# Altium PCB STeaMi-VerB1.PcbDoc (part 1 of 5) (continued)
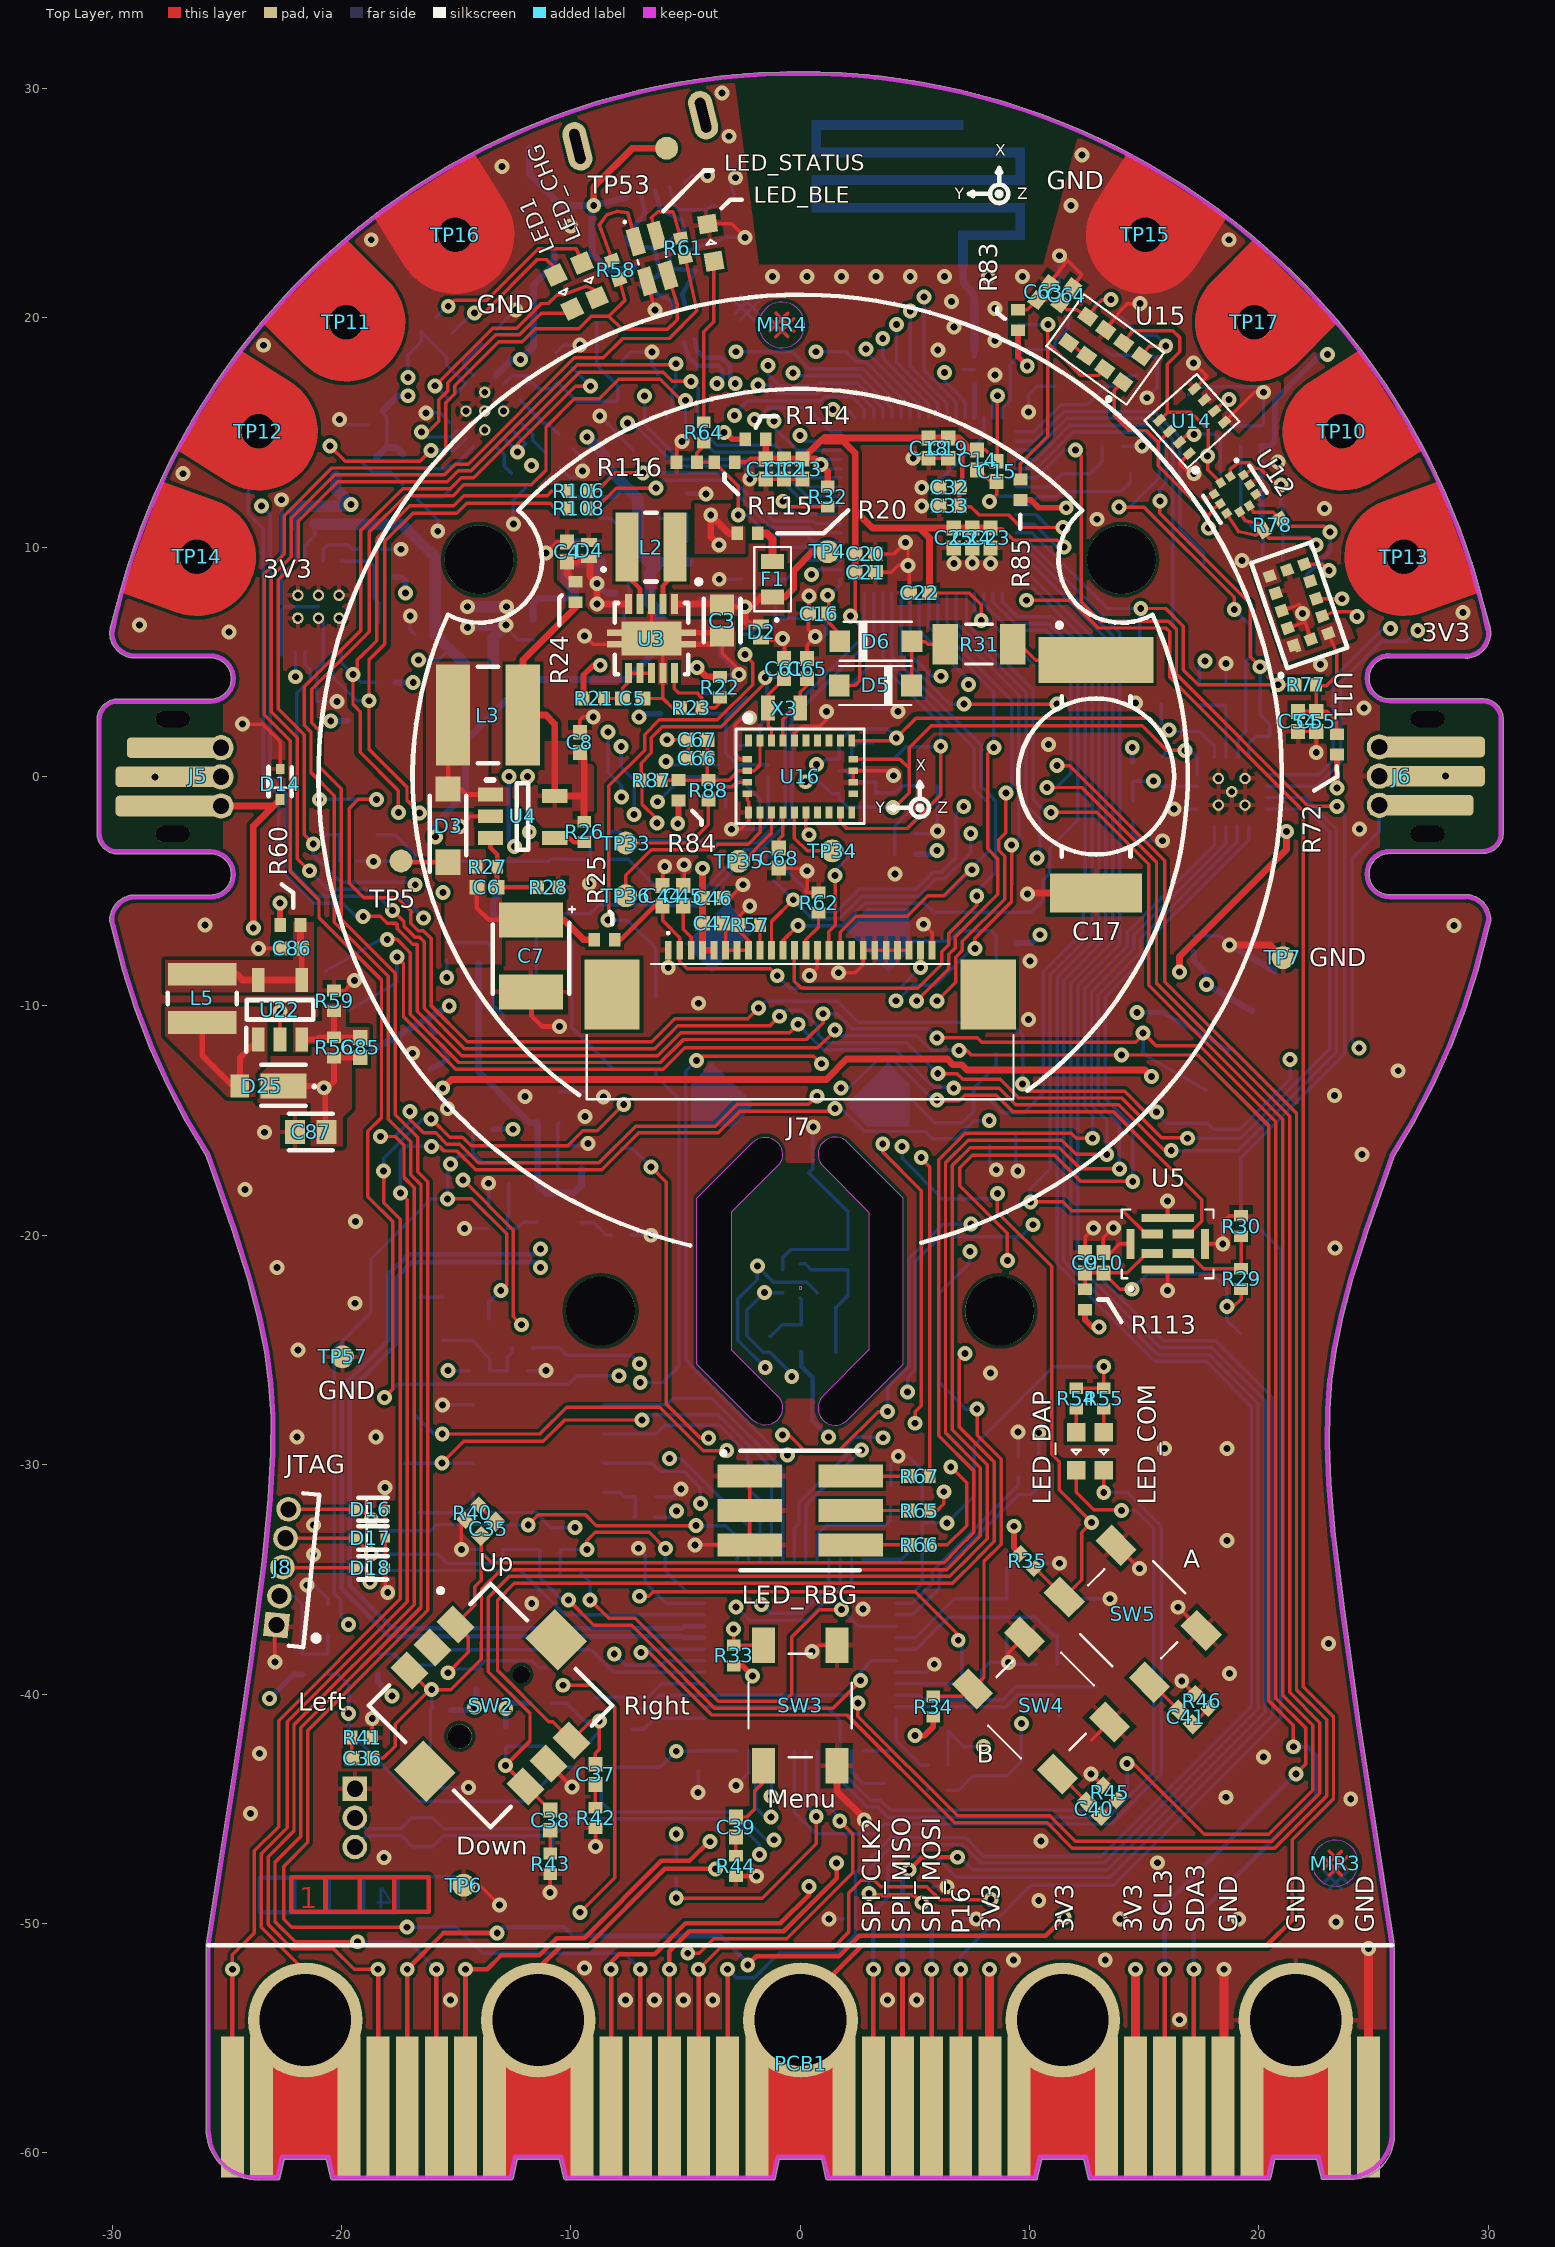
[diagram p0: Top Layer view]
## Components (designator, comment, footprint, x,y, rotation, side; value= is the part's Value field where it differs from the comment) (continued)
C78 "#Circular Reference?" 0402-CAP -11,-16.1 r180 bottom
C79 "#Circular Reference?" 0402-CAP -7.8,-20 r180 bottom
C80 "#Circular Reference?" 0402-CAP -13.2,-19.7 r0 bottom
C81 "#Circular Reference?" 0402-CAP -13.139,-18.72 r0 bottom
C82 "#Circular Reference?" 0402-CAP -6.741,-31.4 r180 bottom
C83 "#Circular Reference?" 0402-CAP -11.64,6.409 r90 bottom
C84 "#Circular Reference?" 0402-CAP -18.505,15.643 r45 bottom
C85 "#Circular Reference?" 0402-CAP -19.177,-11.811 r270 top
C86 "#Circular Reference?" 0402-CAP -22.167,-7.493 r0 top
C87 "#Circular Reference?" 0603-CAP -21.336,-15.494 r270 top
D1 "#Circular Reference?" WE-TVS_SOT23-6L -6,22.621 r286.06 bottom
D2 "#Circular Reference?" DFN100X60X45-2N -1.7,6.3 r270 top
D3 "#Circular Reference?" SODFL3516X120N -15.348,-2.142 r90 top
D4 "#Circular Reference?" DFN100X60X45-2N -9.2,9.85 r90 top
D5 "#Circular Reference?" SOD3615X145N_SOD123 3.28,3.968 r180 top
D6 "#Circular Reference?" SOD3615X145N_SOD123 3.3,5.9 r0 top
D7 "#Circular Reference?" SOD3615X145N_SOD123 -6.3,-11.2 r90 bottom locked
D8 "#Circular Reference?" SODFL1608X70N 5.12,-48.4 r0 bottom
D9 "#Circular Reference?" SODFL1608X70N 2.53,-49.8 r180 bottom
D10 "#Circular Reference?" DFN100X60X45-2N -15.769,-11.468 r300 bottom
D11 "#Circular Reference?" SODFL1608X70N 17.82,-49.8 r0 bottom
D12 "#Circular Reference?" SODFL1608X70N -10.415,-4.26 r270 bottom
D13 "#Circular Reference?" DFN100X60X45-2N -19.723,-3.7 r0 bottom
D14 "#Circular Reference?" SODFL1608X70N -22.67,-0.335 r90 top
D15 "#Circular Reference?" SOD3615X145N_SOD123 8.55,-10.5 r270 bottom
D16 "#Circular Reference?" SODFL1608X70N -18.74,-31.946 r0 top
D17 "#Circular Reference?" SODFL1608X70N -18.74,-33.2 r0 top
D18 "#Circular Reference?" SODFL1608X70N -18.74,-34.5 r0 top
D19 "#Circular Reference?" SODFL1608X70N -20.6,-36.765 r90 bottom
D20 "#Circular Reference?" SODFL1608X70N -16.458,-44.74 r90 bottom
D21 "#Circular Reference?" SODFL1608X70N -16.449,-47.31 r270 bottom
D22 "#Circular Reference?" SODFL1608X70N 6.399,-49.8 r0 bottom
D23 "#Circular Reference?" SODFL1608X70N 15.23,-49.8 r180 bottom
D24 "#Circular Reference?" DFN100X60X45-2N 17.175,-7.289 r90 bottom
D25 "#Circular Reference?" SOD2314X75N-SOD323HE -23.176,-13.491 r180 top
D26 "#Circular Reference?" CDBQR0140L -15.415,-7.62 r270 bottom
D27 "#Circular Reference?" CDBQR0140L -13,-9.525 r0 bottom
F1 "#Circular Reference?" FUSM16081X45 -1.2,8.6 r90 top
FB1 "#Circular Reference?" INDC1608X80N -9.9,22.8 r180 bottom value="300ohm 100Mhz"
FB2 "#Circular Reference?" BEADC1608X75N -19.264,-2.544 r180 bottom value="1Kohm 100 Mhz"
J1 "#Circular Reference?" 1011483010102LF -14,2 r180 bottom locked
J2 "#Circular Reference?" USB3080-30-00-A -6.971,28.15 r13.91 bottom locked
J3 "#Circular Reference?" JST_S4B-PH-SM4-TB 21.651,-12.5 r240 bottom locked
J4 "#Circular Reference?" JST_S4B-PH-SM4-TB -21.651,-12.5 r120 bottom locked
J5 "#Circular Reference?" JACDAC_FOOTPRINT#1 -26.233,0 r90 top locked
J6 "#Circular Reference?" JACDAC_FOOTPRINT#2 26.233,0 r270 top locked
J7 "#Circular Reference?" 52435-2471 0,-9.5 r0 top locked
J8 "#Circular Reference?" FTS-105-01-F-D -23.201,-34.406 r84 top
J9 "#Circular Reference?" FTS-103-01-F-S -19.412,-45.4 r270 bottom
L1 "#Circular Reference?" WE-CNSW_06038 -5.029,19.694 r15.5 bottom value="90ohm 100MHZ"
L2 "#Circular Reference?" VLS3012 -6.5,10 r0 top
L3 "#Circular Reference?" WE-LQS_4025 -13.611,2.68 r180 top
L4 "#Circular Reference?" "LQM21 SERIES" 13.2,13.2 r0 bottom
L5 "#Circular Reference?" VLS3012 -26.068,-9.671 r270 top
LED1 "#Circular Reference?" APTD1608LZGCK-G -10.302,21.122 r296 top
LED_BLE "#Circular Reference?" APTD1608LZGCK-B -3.895,23.276 r99.5 top
LED_CHG "#Circular Reference?" APTD1608LZGCK -9.182,21.632 r293 top
LED_COM "#Circular Reference?" APTD1608LZGCK 13.234,-29.418 r270 top
LED_DAP "#Circular Reference?" APTD1608LZGCK 12.034,-29.418 r270 top
LED_RBG "#Circular Reference?" 150505M173300 0,-32 r0 top
LED_STATUS "#Circular Reference?" KPHBM2012QBDCGKC -6.463,22.587 r105.97 top
LS1 "#Circular Reference?" XDCR_SMT-0825-S-HT-R 0,-10.5 r180 bottom locked
MIR1 "Comment" "mire optique-mini" -2.324,20.447 r135 bottom
MIR2 "Comment" "mire optique-mini" 23.349,-47.97 r135 bottom
MIR3 "Comment" "mire optique-mini" 23.33,-47.371 r45 top
MIR4 "Comment" "mire optique-mini" -0.8,19.685 r45 top
PCB1 "#Circular Reference?" MICROBIT_EDGE 0.015,-61.074 r0 top locked
R1 "Not Fitted" RESC1005X40N_0402 -15.5,19 r225 bottom
R2 "#Circular Reference?" RESC1005X40N_0402 -10.25,17.5 r45 bottom
R3 "#Circular Reference?" RESC1005X40N_0402 -17,13.75 r135 bottom
R4 "#Circular Reference?" RESC1005X40N_0402 -18.2,13.6 r135 bottom
R5 "#Circular Reference?" RESC1005X40N_0402 -3.25,24.979 r195 bottom
R6 "#Circular Reference?" RESC1005X40N_0402 -15.3,13.1 r135 bottom
R7 "#Circular Reference?" RESC1005X40N_0402 -17,12.4 r135 bottom
R8 "#Circular Reference?" RESC1005X40N_0402 -5.9,17.2 r315 bottom
R9 "#Circular Reference?" RESC1005X40N_0402 -8.085,17.789 r225 bottom
R10 "#Circular Reference?" RESC1005X40N_0402 -10.953,18.155 r225 bottom
R11 "#Circular Reference?" RESC1005X40N_0402 -12.271,12.9 r135 bottom
R12 "#Circular Reference?" RESC1005X40N_0402 -10.8,13.8 r135 bottom
R13 "#Circular Reference?" RESC1005X40N_0402 -13.565,19.185 r225 bottom
R14 "#Circular Reference?" RESC1005X40N_0402 -10.2,14.6 r135 bottom
R15 "#Circular Reference?" RESC1005X40N_0402 -19.241,2.413 r180 bottom
R16 "#Circular Reference?" RESC1005X40N_0402 -18.1,4.1 r0 bottom
R17 "#Circular Reference?" RESC1005X40N_0402 -18.127,8.696 r0 bottom
R18 "#Circular Reference?" RESC1005X40N_0402 -21.6,11 r180 bottom
R19 "#Circular Reference?" RESC1005X40N_0402 -18.7,9.9 r180 bottom
R20 "#Circular Reference?" RESC1005X40N_0402 -2.3,10.6 r180 top
R21 "#Circular Reference?" RESC1005X40N_0402 -9,3.4 r180 top
R22 "#Circular Reference?" RESC1005X40N_0402 -3.5,3.89 r90 top
R23 "#Circular Reference?" RESC1005X40N_0402 -4.745,3 r0 top
R24 "#Circular Reference?" RESC1005X40N_0402 -9.8,8.045 r270 top
R25 "#Circular Reference?" RESC1005X40N_0402 -8.526,-7.115 r0 top
R26 "#Circular Reference?" RESC1005X40N_0402 -9.413,-2.415 r270 top
R27 "#Circular Reference?" RESC1005X40N_0402 -13.652,-3.937 r180 top
R28 "#Circular Reference?" RESC1005X40N_0402 -10.985,-4.826 r180 top
R29 "#Circular Reference?" RESC1005X40N_0402 19.222,-21.9 r270 top
R30 "#Circular Reference?" RESC1005X40N_0402 19.222,-19.6 r270 top
R31 "#Circular Reference?" RESC3216X88N_1206 7.8,5.768 r180 top
R32 "#Circular Reference?" RESC1005X40N_0402 1.2,12.2 r90 top
R33 "#Circular Reference?" RESC1005X40N_0402 -2.9,-38.32 r270 top
R34 "#Circular Reference?" RESC1005X40N_0402 5.8,-40.55 r270 top
R35 "#Circular Reference?" RESC1005X40N_0402 9.9,-34.2 r135 top
R36 "#Circular Reference?" RESC1005X40N_0402 -11.33,-40.4 r180 bottom
R37 "#Circular Reference?" RESC1005X40N_0402 -12.835,-41.88 r90 bottom
R38 "#Circular Reference?" RESC1005X40N_0402 -14.106,-39.355 r270 bottom
R39 "#Circular Reference?" RESC1005X40N_0402 -15.67,-40.7 r0 bottom
R40 "#Circular Reference?" RESC1005X40N_0402 -14.3,-32.1 r45 top
R41 "#Circular Reference?" RESC1005X40N_0402 -19.1,-41.9 r180 top
R42 "#Circular Reference?" RESC1005X40N_0402 -8.921,-45.4 r90 top
R43 "#Circular Reference?" RESC1005X40N_0402 -10.9,-47.4 r90 top
R44 "#Circular Reference?" RESC1005X40N_0402 -2.8,-47.5 r90 top
R45 "#Circular Reference?" RESC1005X40N_0402 13.5,-44.3 r315 top
R46 "#Circular Reference?" RESC1005X40N_0402 17.5,-40.3 r315 top
R47 "#Circular Reference?" RESC1005X40N_0402 -15.455,-3.688 r180 bottom
R48 "#Circular Reference?" RESC1005X40N_0402 -8.7,-3.6 r180 bottom
R49 "#Circular Reference?" RESC1005X40N_0402 -8.7,-2.4 r180 bottom
R50 "#Circular Reference?" RESC1005X40N_0402 14.5,0.2 r90 bottom
R51 "#Circular Reference?" RESC1005X40N_0402 17.4,3.547 r90 bottom
R52 "#Circular Reference?" RESC1005X40N_0402 18.564,3.545 r270 bottom
R53 "#Circular Reference?" RESC1005X40N_0402 -16.2,19.7 r45 bottom
R54 "#Circular Reference?" RESC1005X40N_0402 12.034,-27.118 r270 top
R55 "#Circular Reference?" RESC1005X40N_0402 13.234,-27.118 r270 top
R56 "#Circular Reference?" RESC1005X40N_0402 -20.32,-11.811 r270 top
R57 "#Circular Reference?" RESC1005X40N_0402 -2.195,-6.479 r0 top
R58 "#Circular Reference?" RESC1005X40N_0402 -8.037,22.083 r110 top
R59 "#Circular Reference?" RESC1005X40N_0402 -20.32,-9.779 r270 top
R60 "#Circular Reference?" RESC1005X40N_0402 -22.225,-6.477 r0 top
R61 "#Circular Reference?" RESC1005X40N_0402 -5.108,23.041 r102.5 top
R62 "#Circular Reference?" RESC1005X40N_0402 0.8,-5.5 r270 top
R63 "#Circular Reference?" RESC1005X40N_0402 -13.58,-4.773 r180 bottom
R64 "#Circular Reference?" RESC1005X40N_0402 -4.2,15 r90 top
R65 "#Circular Reference?" RESC1005X40N_0402 5.2,-32 r180 top
R66 "#Circular Reference?" RESC1005X40N_0402 5.2,-33.5 r180 top
R67 "#Circular Reference?" RESC1005X40N_0402 5.2,-30.5 r180 top
R68 "#Circular Reference?" RESC1005X40N_0402 8.996,-7.3 r0 bottom
R69 "#Circular Reference?" RESC1005X40N_0402 9.4,-15.1 r90 bottom
R70 "#Circular Reference?" RESC1005X40N_0402 -21.7,-38.7 r270 bottom
R71 "#Circular Reference?" RESC1005X40N_0402 -20.6,-38.7 r270 bottom
R72 "#Circular Reference?" RESC1005X40N_0402 23.4,1.4 r270 top
R73 "#Circular Reference?" RESC1005X40N_0402 4.571,-3.388 r0 bottom
R74 "#Circular Reference?" RESC1005X40N_0402 -5.635,2.735 r180 bottom
R75 "#Circular Reference?" RESC1005X40N_0402 5.1,0.842 r270 bottom
R76 "#Circular Reference?" RESC1005X40N_0402 -1.905,3.429 r180 bottom
R77 "#Circular Reference?" RESC1005X40N_0402 22.045,4 r0 top
R78 "#Circular Reference?" RESC1005X40N_0402 20.575,10.965 r212.7 top
R79 "#Circular Reference?" RESC1005X40N_0402 20.59,11.4 r180 bottom
R80 "#Circular Reference?" RESC1005X40N_0402 20.11,14.847 r270 bottom
R81 "#Circular Reference?" RESC1608X45N_0603 0.8,-25.1 r180 bottom
R82 "#Circular Reference?" RESC1608X45N_0603 0.8,-23.9 r0 bottom
R83 "#Circular Reference?" RESC1005X40N_0402 9.5,19.9 r270 top
R84 "#Circular Reference?" RESC1005X40N_0402 -5.3,-0.6 r270 top
R85 "#Circular Reference?" RESC1005X40N_0402 9.6,12.5 r270 top
R86 "#Circular Reference?" RESC1005X40N_0402 13.264,20 r180 bottom
R87 "#Circular Reference?" RESC1005X40N_0402 -6.482,-0.159 r0 top
R88 "#Circular Reference?" RESC1005X40N_0402 -4,-0.6 r90 top
R89 "#Circular Reference?" RESC1608X45N_0603 -6.906,6.6 r180 bottom
R90 "#Circular Reference?" RESC1005X40N_0402 -4.953,9.779 r270 bottom
R91 "#Circular Reference?" RESC1005X40N_0402 9.5,-30.1 r270 bottom
R92 "#Circular Reference?" RESC1005X40N_0402 10.4,-30.1 r270 bottom
R93 "#Circular Reference?" RESC1005X40N_0402 -7.312,-41.1 r90 bottom
R94 "#Circular Reference?" RESC1005X40N_0402 6,-43.1 r0 bottom
R95 "#Circular Reference?" RESC1005X40N_0402 6,-44.2 r0 bottom
R96 "#Circular Reference?" RESC1005X40N_0402 -13.971,-25.9 r180 bottom
R97 "#Circular Reference?" RESC1005X40N_0402 -12.114,-24.9 r180 bottom
R98 "#Circular Reference?" RESC1005X40N_0402 -12.32,-25.9 r180 bottom
R99 "#Circular Reference?" RESC1005X40N_0402 -10.9,-33.7 r0 bottom
R100 "#Circular Reference?" RESC1005X40N_0402 -17,-22.7 r0 bottom
R101 "#Circular Reference?" RESC1005X40N_0402 -18.4,-38.7 r270 bottom
R102 "#Circular Reference?" RESC1005X40N_0402 -12.954,-11.24 r90 bottom
R103 "#Circular Reference?" RESC1005X40N_0402 -4.953,11.875 r270 bottom
R104 "#Circular Reference?" RESC1005X40N_0402 -5.404,-47.556 r90 bottom
R105 "#Circular Reference?" RESC1005X40N_0402 3.937,-31.369 r270 bottom
R106 "#Circular Reference?" RESC1005X40N_0402 -9.652,12.446 r180 top
R107 "#Circular Reference?" RESC1608X45N_0603 -7.3,8 r180 bottom
R108 "#Circular Reference?" RESC1005X40N_0402 -9.652,11.684 r180 top
R109 "#Circular Reference?" RESC1005X40N_0402 -13.833,-15.377 r0 bottom
R110 "#Circular Reference?" RESC1005X40N_0402 -10.008,-34.72 r180 bottom
R111 "#Circular Reference?" RESC1005X40N_0402 -12.7,-17.3 r90 bottom
R112 "#Circular Reference?" RESC1005X40N_0402 -6.784,-32.3 r0 bottom
R113 "#Circular Reference?" RESC1005X40N_0402 12.422,-22.8 r270 top
R114 "#Circular Reference?" RESC1005X40N_0402 -1.945,14.7 r180 top
R115 "#Circular Reference?" RESC1005X40N_0402 -3.3,13.7 r0 top
R116 "#Circular Reference?" RESC1005X40N_0402 -4.945,13.7 r0 top
SW1 "#Circular Reference?" PTS636SM25FSMTRLFS -10,-10.5 r270 bottom
SW2 "#Circular Reference?" SKRHABE010 -13.5,-40.5 r315 top locked
SW3 "#Circular Reference?" PTS647SM38SMTR2LFS 0,-40.5 r90 top locked
SW4 "#Circular Reference?" PTS647SM38SMTR2LFS 10.5,-40.5 r135 top locked
SW5 "#Circular Reference?" PTS647SM38SMTR2LFS 14.5,-36.5 r135 top locked
T1 "#Circular Reference?" SOT95P260X110-3N_SOT-23-3 -7.25,15.64 r225 bottom
T2 "#Circular Reference?" SOT95P260X110-3N_SOT-23-3 7.256,-15.1 r270 bottom
T3 "#Circular Reference?" SOT23-B-C-E -14.584,-23.64 r90 bottom
T4 "#Circular Reference?" SOT65P210X110-6N -13.375,-7.15 r90 bottom
TP1 "PAD" "TESTPOINT 1MM" -20.243,13.081 r90 bottom
TP2 "PAD" "TESTPOINT 1MM" -18.368,6.7 r90 bottom
TP3 "PAD" "TESTPOINT 1MM" -9.9,7.772 r90 bottom
TP4 "PAD" "TESTPOINT 1MM" 1.2,9.8 r90 top
TP5 "PAD" "TESTPOINT 1MM" -17.399,-3.683 r90 top
TP6 "PAD" "TESTPOINT 1MM" -14.665,-48.335 r90 top
TP7 "PAD" "TESTPOINT 1MM" 21.047,-7.9 r90 top
TP8 "PAD" "TESTPOINT 1MM" 17.606,9.287 r90 bottom
TP9 "PAD" "TESTPOINT 1MM" 16.256,6.604 r90 bottom
TP10 "PAD" PAD_SHORT_ALIGATOR 23.615,15.044 r302.5 top locked
TP11 "PAD" PAD_SHORT_ALIGATOR -19.799,19.799 r45 top
TP12 "PAD" PAD_SHORT_ALIGATOR -23.615,15.044 r57.5 top locked
TP13 "PAD" PAD_SHORT_ALIGATOR 26.311,9.577 r290 top locked
TP14 "PAD" PAD_SHORT_ALIGATOR -26.311,9.577 r70 top locked
TP15 "PAD" PAD_SHORT_ALIGATOR 15.044,23.615 r327.5 top locked
TP16 "PAD" PAD_SHORT_ALIGATOR -15.044,23.615 r32 top locked
TP17 "PAD" PAD_SHORT_ALIGATOR 19.799,19.799 r315 top locked
TP18 "PAD" "TESTPOINT 1MM" 19.635,5.969 r90 bottom
TP19 "PAD" "TESTPOINT 1MM" 20.471,1.75 r90 bottom
TP20 "PAD" "TESTPOINT 1MM" -1.147,-4.551 r90 bottom
TP21 "PAD" "TESTPOINT 1MM" 11.427,-2.586 r90 bottom
TP22 "SCK1" "TESTPOINT 1MM" 2.305,-3.298 r90 bottom
TP23 "MOSI1" "TESTPOINT 1MM" 6.223,-5.19 r90 bottom
TP24 "PAD" "TESTPOINT 1MM" 8.5,-4.2 r90 bottom
TP25 "SDA1" "TESTPOINT 1MM" 15.748,3.175 r90 bottom
TP26 "SCL1" "TESTPOINT 1MM" 15.778,0.878 r90 bottom
TP27 "INTD" "TESTPOINT 1MM" 14.8,6 r90 bottom
TP28 "INTA" "TESTPOINT 1MM" -0.254,4.592 r90 bottom
TP29 "INTM" "TESTPOINT 1MM" 2.117,3.9 r90 bottom
TP30 "PAD" "TESTPOINT 1MM" 22.053,8.315 r90 bottom
TP31 "PAD" "TESTPOINT 1MM" -1.3,-24.085 r90 bottom
TP32 "PAD" "TESTPOINT 1MM" 9.4,19.6 r90 bottom
TP33 "PAD" "TESTPOINT 1MM" -7.6,-2.9 r90 top
TP34 "PAD" "TESTPOINT 1MM" 1.397,-3.241 r90 top
TP35 "PAD" "TESTPOINT 1MM" -2.678,-3.694 r90 top
TP36 "PAD" "TESTPOINT 1MM" -7.6,-5.2 r90 top
TP37 "RST" "TESTPOINT 1MM" -6.965,-29.935 r90 bottom
TP38 "WP" "TESTPOINT 1MM" -16.847,-27.774 r90 bottom
TP39 "/CS" "TESTPOINT 1MM" -16.6,-32.1 r90 bottom
TP40 "MOSI" "TESTPOINT 1MM" -5.53,-27.1 r90 bottom
TP41 "MISO" "TESTPOINT 1MM" -17.243,-29.935 r90 bottom
TP42 "CLK" "TESTPOINT 1MM" -2.3,-31 r90 bottom
TP43 "T_RX2" "TESTPOINT 1MM" 8.662,-43.56 r90 bottom
TP44 "T_TX2" "TESTPOINT 1MM" 6.445,-41.611 r90 bottom
TP45 "PAD" "TESTPOINT 1MM" 16.928,16.637 r90 bottom
TP46 "+3V3" "TESTPOINT 1MM" -14.2,-16.5 r180 bottom
TP47 "PAD" "TESTPOINT 1MM" 3.682,-43.9 r90 bottom
TP48 "PAD" "TESTPOINT 1MM" 11.3,-40.98 r90 bottom
TP49 "PAD" "TESTPOINT 1MM" -10.509,11.509 r90 bottom
TP50 "PAD" "TESTPOINT 1MM" -11.629,21.431 r90 bottom
TP51 "PAD" "TESTPOINT 1MM" -8.86,19.786 r0 bottom
TP52 "PAD" "TESTPOINT 1MM" -21.93,1.74 r90 bottom
TP53 "PAD" "TESTPOINT 1MM" -5.822,27.388 r90 top
TP54 "PAD" "TESTPOINT 1MM" -11.8,27.4 r90 bottom
TP55 "PAD" "TESTPOINT 1MM" -4.322,7.706 r90 bottom
TP56 "PAD" "Testpoint 1mm" 12.954,-39.692 r90 bottom
TP57 "PAD" "TESTPOINT 1MM" -19.95,-25.3 r90 top
TP58 "PAD" "TESTPOINT 1MM" -14.442,-48.44 r90 bottom
TP59 "PAD" "TESTPOINT 1MM" -27.6,-7.1 r90 bottom
TP60 "PAD" "TESTPOINT 1MM" 19.2,-24.3 r90 bottom
TP61 "PAD" "TESTPOINT 1MM" -1.085,7.378 r90 bottom
TP62 "PAD" "TESTPOINT 1MM" 10.185,4.863 r90 bottom
TP63 "PAD" "TESTPOINT 1MM" -9.398,-42.291 r90 bottom
TP64 "PAD" "TESTPOINT 1MM" -11.23,-42.274 r90 bottom
TP65 "PAD" "TESTPOINT 1MM" -16,-42.6 r90 bottom
TP66 "PAD" "TESTPOINT 1MM" -11.115,-38.862 r90 bottom
TP67 "PAD" "TESTPOINT 1MM" -7.771,-16.2 r90 bottom
TP68 "PAD" "TESTPOINT 1MM" 6.5,-26.852 r90 bottom
TP69 "PAD" "TESTPOINT 1MM" 6.2,-18.4 r90 bottom
TP70 "PAD" "TESTPOINT 1MM" 11.808,-5.552 r90 bottom
TP71 "RX3" "TESTPOINT 1MM" -8.675,-44 r90 bottom
TP72 "TX3" "TESTPOINT 1MM" -10.795,-46.96 r90 bottom
TP73 "TX2" "TESTPOINT 1MM" -7,-4.1 r90 bottom
TP74 "RX2" "TESTPOINT 1MM" -4.7,-2.8 r90 bottom
TP75 "PAD" "Testpoint 1mm" -16.764,-38.735 r90 bottom
TP76 "PAD" "Testpoint 1mm" -8.89,-40.132 r90 bottom
U1 "#Circular Reference?" QFN50P300X300X100-17N -13.75,15.93 r135 bottom
U2 "#Circular Reference?" BQ27441DRZRG1A -21,7.4 r180 bottom
U3 "#Circular Reference?" VSON-10 -6.482,6.015 r180 top
U4 "#Circular Reference?" SOT95P270X145-5N -12.1,-1.736 r0 top
U5 "#Circular Reference?" IMP34DT05 16.022,-20.375 r270 top
U6 "#Circular Reference?" QFN40P800X800X100-69N-D 5.6,11.82 r0 bottom locked
U7 "#Circular Reference?" MLPFWB5501E3 7.35,17.727 r180.05 bottom
U8 "#Circular Reference?" QFN50P300X300X100-17N-D 18.814,-0.666 r0 bottom
U9 "#Circular Reference?" LGA-12-2x2MM 2.5,0 r0 bottom locked
U10 "#Circular Reference?" LGA-14-2.5X3MM -2.5,0 r270 bottom locked
U11 "#Circular Reference?" VL53L1X 21.747,7.488 r199 top
U12 "#Circular Reference?" 2511020213301 18.956,12.306 r303 top
U13 "#Circular Reference?" 2525020210001 0,-22 r180 bottom locked
U14 "#Circular Reference?" BME280 17.081,15.492 r221.87 top locked
U15 "#Circular Reference?" APDS-9960 13.3,18.615 r233.84 top
U16 "#Circular Reference?" LGA28R50P4X10_380X520X100 0,0 r0 top locked
U17 "#Circular Reference?" QFP50P900X900X160-48N 0,-38.3 r180 bottom locked
U19 "#Circular Reference?" SOT95P280X100-5N_SOT-23 -10.49,-18.27 r0 bottom
U20 "#Circular Reference?" SON127P600X500X80-9N -11.4,-29.3 r0 bottom
U21 "#Circular Reference?" "SOT95P280X100-5N SOT23-5" -7.4,10.3 r0 bottom
U22 "#Circular Reference?" "SOT95P280X100-5N SOT23-5" -22.677,-10.171 r90 top
X1 "#Circular Reference?" WE_XTAL_CFPX_180 12.2,17.815 r0 bottom
X2 "#Circular Reference?" WE_XTAL_IQXC-25 -0.547,9.287 r90 bottom
X3 "#Circular Reference?" WE_XTAL_IQXC-25 -0.7,2.984 r180 top
X4 "#Circular Reference?" WE_XTAL_CFPX_180 10.1,-36.647 r180 bottom

## Footprints (in the part's own frame and the unit in brackets; to place one, negate y for a bottom-side part, rotate by r counter-clockwise, add the part's x,y. Pads: shape width x height; smd on the part's side, far side on the other; paste and mask are expansions set on the pad)
0402-CAP [mm]
  rect 0.65x0.62 smd: 1(-0.44,0) 2(0.44,0)
  body extent -0.5,-0.25 0.5,0.25, height 0.55
0603-CAP [mil]
  rect 41x35 smd: 1(0,-27) 2(0,27)
  silkscreen extent -31,-37 31,38, body extent -15,-39 16,39, height 31
0603-CAP-Small [mm]
  rect 0.9x0.6 smd: 1(0,-0.756) 2(0,0.756)
  body extent -0.4,-0.8 0.4,0.8, height 0.8
52435-2471 [mm]
  rect 0.3x0.8 smd: 1(-5.75,1.925) 2(-5.25,1.925) 3(-4.75,1.925) 4(-4.25,1.925) 5(-3.75,1.925) 6(-3.25,1.925) 7(-2.75,1.925) 8(-2.25,1.925) 9(-1.75,1.925) 10(-1.25,1.925) 11(-0.75,1.925) 12(-0.25,1.925) 13(0.25,1.925) 14(0.75,1.925) 15(1.25,1.925) 16(1.75,1.925) 17(2.25,1.925) 18(2.75,1.925) 19(3.25,1.925) 20(3.75,1.925) 21(4.25,1.925) 22(4.75,1.925) 23(5.25,1.925) 24(5.75,1.925)
  rect 2.4x3.05 smd: FIX(-8.2,0) FIX(8.2,0)
  silkscreen extent -9.3,-4.57 9.3,2.72, body extent -9.3,-3.17 9.3,2.03, height 2.05
150505M173300 [mm] "SMT Full-color TOP LED Waterclear, body 5x5mm"
  rect 2.8x1 smd: 1(-2.2,1.5) 2(2.2,1.5) 3(-2.2,0) 4(2.2,0) 5(-2.2,-1.5) 6(2.2,-1.5)
  silkscreen extent -3.43,-2.6 2.6,2.6, body extent -2.7,-2.5 2.7,2.5, height 1.5
1011483010102LF [mm]
  rect 0.8x1.6 smd: 1(-0.625,2.9) 2(0.625,2.9)
  rect 2.1x3 smd: FIX(-3.175,0) FIX(3.175,0)
  silkscreen extent -3.75,-2.3 3.75,2.81, body extent -3.82,-2.95 3.83,3.37, height 3.73
2511020213301 [mm]
  rect 0.375x0.35 smd paste-0.02 mask+0.05: 1(-0.76,0.25) 2(-0.76,-0.25) 6(0.76,-0.25) 7(0.76,0.25)
  rect 0.35x0.375 smd paste-0.02 mask+0.05: 3(-0.5,-0.76) 4(0,-0.76) 5(0.5,-0.76) 8(0.5,0.76) 9(0,0.76) 10(-0.5,0.76)
  silkscreen extent -1.23,-1.2 0.7,1.2, body extent -1,-1 1,1, height 0.73
2525020210001 [mm]
  rect 0.4x0.45 smd paste-0.05 mask+0.1: 1(-0.75,0.5) 2(-0.75,-0.5) 4(0.75,-0.5) 5(0.75,0.5)
  rect 0.45x0.4 smd paste-0.05 mask+0.1: 3(0,-0.75) 6(0,0.75)
  Keep-Out Layer board cut-out: 1,-5 0.823,-5.282 0.785,-5.614 0.895,-5.929 1.131,-6.165 1.446,-6.275 1.778,-6.237 2.06,-6.06 2.06,-6.06 4.5,-3.62 4.5,3.62 2.06,6.06 1.778,6.237 1.446,6.275 1.131,6.165 0.895,5.929 0.785,5.614 0.823,5.282 1,5 1,5 3,3 3,-3
  Keep-Out Layer board cut-out: -4.5,-3.62 -4.5,3.62 -2.06,6.06 -1.778,6.237 -1.446,6.275 -1.131,6.165 -0.895,5.929 -0.785,5.614 -0.823,5.282 -1,5 -1,5 -3,3 -3,-3 -1,-5 -0.823,-5.282 -0.785,-5.614 -0.895,-5.929 -1.131,-6.165 -1.446,-6.275 -1.778,-6.237 -2.06,-6.06 -2.06,-6.06
  Keep-Out Layer region: -0.065,-0.352 -0.065,-0.252 0.035,-0.252 0.035,-0.352
  silkscreen extent -1.43,-1.2 1,1.2, body extent -0.99,-1 1.01,1, height 0.94
APDS-9960 [mm]
  rect 0.6x0.72 smd: 1(0.7,1.455) 2(0.7,0.485) 3(0.7,-0.485) 4(0.7,-1.455) 5(-0.7,-1.455) 6(-0.7,-0.485) 7(-0.7,0.485) 8(-0.7,1.455)
  silkscreen extent -1.4,-2.16 1.72,2.16, body extent -1.18,-1.97 1.18,1.97, height 1.55
APTD1608LZGCK [mm] "Empreinte LED 1608 Kingbright"
  rect 0.8x0.8 smd: A(-0.825,0) K(0.825,0)
  silkscreen extent -0.07,-0.2 0.13,0.2, body extent -0.81,-0.4 0.81,0.4, height 0.6
APTD1608LZGCK-B [mm] "Empreinte LED 1608 Kingbright"
  rect 0.8x0.8 smd: A(-0.825,0) K(0.825,0)
  silkscreen extent -0.07,-0.2 0.13,0.2, body extent -0.8,-0.4 0.8,0.4, height 0.7
APTD1608LZGCK-G [mm] "Empreinte LED 1608 Kingbright"
  rect 0.8x0.8 smd: A(-0.825,0) K(0.825,0)
  silkscreen extent -0.07,-0.2 0.13,0.19, body extent -0.8,-0.4 0.8,0.4, height 0.7
BEADC1608X75N [mm]
  rect 0.85x1 smd: 1(-0.8,0) 2(0.8,0)
  silkscreen extent 0,-0.3 0,0.3, body extent -0.8,-0.4 0.8,0.4, height 0.75
BME280 [mm]
  rect 0.5x0.35 smd: 1(1.025,0.975) 2(1.025,0.325) 3(1.025,-0.325) 4(1.025,-0.975) 5(-1.025,-0.975) 6(-1.025,-0.325) 7(-1.025,0.325) 8(-1.025,0.975)
  silkscreen extent -1.52,-1.4 1.52,1.8, body extent -1.25,-1.25 1.25,1.25, height 1.02
BQ27441DRZRG1A [mm]
  rect 0.2x0.85 smd: 1(-1,-1.975) 2(-0.6,-1.975) 3(-0.2,-1.975) 4(0.2,-1.975) 5(0.6,-1.975) 6(1,-1.975) 7(1,1.975) 8(0.6,1.975) 9(0.2,1.975) 10(-0.2,1.975) 11(-0.6,1.975) 12(-1,1.975)
  round 0.5 hole 0.3: 13(-0.9,-0.5) 13(-0.9,0.5) 13(0,-0.5) 13(0,0.5) 13(0.9,-0.5) 13(0.9,0.5)
  rect 3.3x0.25 smd: 13(0,-1.1) 13(0,1.1)
  rect 2.45x1.95 smd: 13(0,0)
  silkscreen extent -1.58,-2.41 1.52,0.7, body extent -1.25,-2.05 1.25,2.05, height 0.95
"CAPC3225X55N_1210 - TANTAL" [mil]
  rect 60x110 smd: 1(-62,-0.01) 2(62,-0.01)
  silkscreen extent -85,-66 65,75, body extent -69,-55 69,55, height 75
CDBQR0140L [mm]
  rect 0.5x0.7 smd: A(0.375,0) K(-0.375,0)
  silkscreen extent -1.03,-0.05 -0.93,0.05, body extent -0.55,-0.33 0.55,0.33, height 0.56
DFN100X60X45-2N [mm]
  rect 0.4x0.7 smd: 1(-0.35,0) 2(0.35,0)
  silkscreen extent -0.57,0.63 -0.48,0.72, body extent -0.5,-0.3 0.5,0.3, height 0.53
DSK3R3H204T614 [mm]
  rect 5x2 smd: 1(0,5.075)
  rect 4x1.7 smd: 2(0,-5.075)
  silkscreen extent -3.4,-3.5 3.4,6.7, body extent -3.4,-5.85 3.4,5.85, height 1.8
FTS-103-01-F-S [mm]
  rect 1.07x1.07 hole 0.7: 1(-1.27,0)
  round 1.07 hole 0.7: 2(0,0) 3(1.27,0)
  silkscreen extent -2,-1.9 2,1.27
FTS-105-01-F-D [mm]
  rect 1.07x1.07 hole 0.7: 1(-2.54,-0.635)
  round 1.07 hole 0.7: 3(-1.27,-0.635) 5(0,-0.635) 7(1.27,-0.635) 9(2.54,-0.635)
  silkscreen extent -3.37,-2.53 3.3,-1.2
FUSM16081X45 [mm] "Empreinte fusible SF-0603SP Bourns"
  rect 0.65x1 smd: 1(-0.775,0) 2(0.775,0)
  silkscreen extent -1.4,-0.8 1.4,0.8, body extent -0.8,-0.4 0.8,0.4, height 0.63
IMP34DT05 [mm]
  rect 0.4x0.95 smd: 1(0.425,-0.675) 2(-0.425,-0.675) 3(-0.425,0.675) 4(0.425,0.675)
  rect 1.3x0.35 smd: 5(0,-1.625) 7(0,1.625)
  rect 0.35x2.3 smd: 6(-1.125,0) 8(1.125,0)
  silkscreen extent -1.5,-2 2,2, body extent -1.5,-2 1.5,2, height 1.08
INDC1608X80N [mm]
  rect 0.95x0.7 smd: 1(-0.825,0) 2(0.825,0)
  body extent -0.8,-0.4 0.8,0.4, height 1
JACDAC_FOOTPRINT#1 [mm]
  rrect100% 0.22x1.287 smd far side paste-1.287 mask-1.287: 1(-2.195,-0.826)
  rrect100% 0.974x0.22 smd far side rot 135 paste-0.974 mask-0.974: 1(-1.929,-1.626)
  rrect100% 1.507x0.22 smd far side rot 45 paste-1.507 mask-1.507: 1(-1.74,0.163) 1(0.8,-1.437)
  rrect39% 0.9x2.95 smd far side paste-2.95 mask+0: 1(-1.285,1.643)
  rrect100% 2.212x0.22 smd far side paste-2.212 mask-2.212: 1(-0.666,-1.892)
  round 1.1 hole 0.71 paste-1.1 mask+0: 1(1.255,-0.982) 2(-0.015,-0.982) 3(-1.285,-0.982)
  rrect39% 0.9x4.55 smd paste-4.55 mask+0: 1(1.255,0.843)
  round 0.65 hole 0.3 paste-0.6 mask+0: 2(-0.015,1.893)
  rrect39% 0.9x3.45 smd far side paste-3.45 mask+0: 2(-0.015,1.893) 3(1.255,1.893)
  rrect39% 0.9x5.05 smd paste-5.05 mask+0: 2(-0.015,1.093) 3(-1.285,1.093)
  rrect100% 1.492x0.29 smd far side rot 45 paste-1.492 mask-1.492: 3(-0.86,-0.557)
  rrect100% 1.23x0.29 smd far side paste-1.23 mask-1.23: 3(0.035,-0.132)
  rrect100% 1.351x0.29 smd far side rot 45 paste-1.351 mask-1.351: 3(0.88,0.243)
  rrect100% 0.7x1.5 hole 1.5 slot 0.7 at 0 deg unplated paste-1.5 mask+0: Un1(2.505,1.118)
  rrect100% 0.7x1.5 hole 1.5 slot 0.7 at 0 deg unplated paste+0 mask+0: Un2(-2.505,1.118)
  Keep-Out Layer lines w0.12: -5.285,1.118 -5.285,-0.532 ccw(c-4.285,-0.532) -4.285,-1.532 ; 5.255,1.118 5.255,-0.532 cw(c4.255,-0.532) 4.255,-1.532 ; -2.485,4.318 ccw(c-2.485,3.518) -3.286,3.518 ; -2.485,4.318 ccw(c-2.485,3.518) -3.286,3.518 ; -2.485,4.318 2.455,4.318 ; -2.485,4.318 2.455,4.318 ; 2.455,4.318 cw(c2.455,3.518) 3.255,3.518 ; 2.455,4.318 cw(c2.455,3.518) 3.255,3.518 ; -3.286,3.518 -3.286,-0.532 ; -3.286,3.518 -3.286,-0.532 ; 3.255,3.518 3.255,-0.532 ; 3.255,3.518 3.255,-0.532 ; -3.285,-0.532 cw(c-4.285,-0.532) -4.285,-1.532 ; -3.285,-0.532 cw(c-4.285,-0.532) -4.285,-1.532 ; 3.254,-0.532 ccw(c4.255,-0.532) 4.255,-1.532 ; 3.254,-0.532 ccw(c4.255,-0.532) 4.255,-1.532
JACDAC_FOOTPRINT#2 [mm]
  rrect100% 0.22x1.287 smd far side paste-1.287 mask-1.287: 1(-2.195,-0.826)
  rrect100% 0.974x0.22 smd far side rot 135 paste-0.974 mask-0.974: 1(-1.929,-1.626)
  rrect100% 1.507x0.22 smd far side rot 45 paste-1.507 mask-1.507: 1(-1.74,0.163) 1(0.8,-1.437)
  rrect39% 0.9x2.95 smd far side paste-2.95 mask+0: 1(-1.285,1.643)
  rrect100% 2.212x0.22 smd far side paste-2.212 mask-2.212: 1(-0.666,-1.892)
  rrect39% 0.9x4.55 smd paste-4.55 mask+0: 1(1.255,0.843)
  round 1.1 hole 0.71 paste-1.1 mask+0: 1(1.255,-0.982) 2(-0.015,-0.982) 3(-1.285,-0.982)
  round 0.65 hole 0.3 paste-0.6 mask+0: 2(-0.015,1.893)
  rrect39% 0.9x3.45 smd far side paste-3.45 mask+0: 2(-0.015,1.893) 3(1.255,1.893)
  rrect39% 0.9x5.05 smd paste-5.05 mask+0: 2(-0.015,1.093) 3(-1.285,1.093)
  rrect100% 1.492x0.29 smd far side rot 45 paste-1.492 mask-1.492: 3(-0.86,-0.557)
  rrect100% 1.23x0.29 smd far side paste-1.23 mask-1.23: 3(0.035,-0.132)
  rrect100% 1.351x0.29 smd far side rot 45 paste-1.351 mask-1.351: 3(0.88,0.243)
  rrect100% 0.7x1.5 hole 1.5 slot 0.7 at 0 deg unplated paste-1.5 mask+0: Un1(2.505,1.118) Un2(-2.505,1.118)
  Keep-Out Layer lines w0.12: 5.255,1.118 5.255,-0.532 cw(c4.255,-0.532) 4.255,-1.532 ; -5.285,1.118 -5.285,-0.532 ccw(c-4.285,-0.532) -4.285,-1.532 ; 4.255,-1.532 cw(c4.255,-0.532) 3.254,-0.532 ; 4.255,-1.532 cw(c4.255,-0.532) 3.254,-0.532 ; -4.285,-1.532 ccw(c-4.285,-0.532) -3.285,-0.532 ; -4.285,-1.532 ccw(c-4.285,-0.532) -3.285,-0.532 ; 3.255,-0.532 3.255,3.518 ; 3.255,-0.532 3.255,3.518 ; -3.286,-0.532 -3.286,3.518 ; -3.286,-0.532 -3.286,3.518 ; 3.255,3.518 ccw(c2.455,3.518) 2.455,4.318 ; 3.255,3.518 ccw(c2.455,3.518) 2.455,4.318 ; -3.286,3.518 cw(c-2.485,3.518) -2.485,4.318 ; -3.286,3.518 cw(c-2.485,3.518) -2.485,4.318 ; 2.455,4.318 -2.485,4.318 ; 2.455,4.318 -2.485,4.318
JST_S4B-PH-SM4-TB [mm]
  rect 1x3.5 smd: 1(-3,2.85) 2(-1,2.85) 3(1,2.85) 4(3,2.85)
  rect 1.6x3.5 smd: FIX(-5.4,-2.85) FIX(5.4,-2.85)
  silkscreen extent -6,-4.5 6,5.22, body extent -5.95,-4.59 5.95,4.28, height 5.6
KPHBM2012QBDCGKC [mm]
  rect 1.2x0.6 smd: A1(0.9,0.475) A2(0.9,-0.475) K1(-0.9,0.475) K2(-0.9,-0.475)
  silkscreen extent -0.1,-0.62 1.9,0.75, body extent -1,-0.62 1,1.9, height 4
LGA28R50P4X10_380X520X100 [mm]
  rect 0.3x0.525 smd: 1(-2.25,1.562) 6(-2.25,-1.562) 7(-1.75,-1.562) 8(-1.25,-1.563) 9(-0.75,-1.562) 10(-0.25,-1.562) 11(0.25,-1.563) 12(0.75,-1.562) 13(1.25,-1.562) 14(1.75,-1.562) 15(2.25,-1.562) 20(2.25,1.562) 21(1.75,1.562) 22(1.25,1.563) 23(0.75,1.562) 24(0.25,1.562) 25(-0.25,1.563) 26(-0.75,1.562) 27(-1.25,1.562) 28(-1.75,1.562)
  rect 0.425x0.3 smd: 2(-2.312,0.75) 3(-2.312,0.25) 4(-2.312,-0.25) 5(-2.312,-0.75) 16(2.312,-0.75) 17(2.312,-0.25) 18(2.312,0.25) 19(2.312,0.75)
  silkscreen extent -2.79,-2.05 2.79,2.64, body extent -2.6,-1.9 2.6,1.9, height 1.18
LGA-12-2x2MM [mm]
  rect 0.4x0.3 smd: 1(-0.8,0.75) 2(-0.8,0.25) 3(-0.8,-0.25) 4(-0.8,-0.75) 7(0.8,-0.75) 8(0.8,-0.25) 9(0.8,0.25) 10(0.8,0.75)
  rect 0.3x0.4 smd: 5(-0.25,-0.75) 6(0.25,-0.75) 11(0.25,0.75) 12(-0.25,0.75)
  silkscreen extent -1.39,0.72 -1.34,0.77, body extent -1,-1 1,1, height 1